# Altium PCB PCB_v6.PcbDoc (part 5 of 7) (continued)
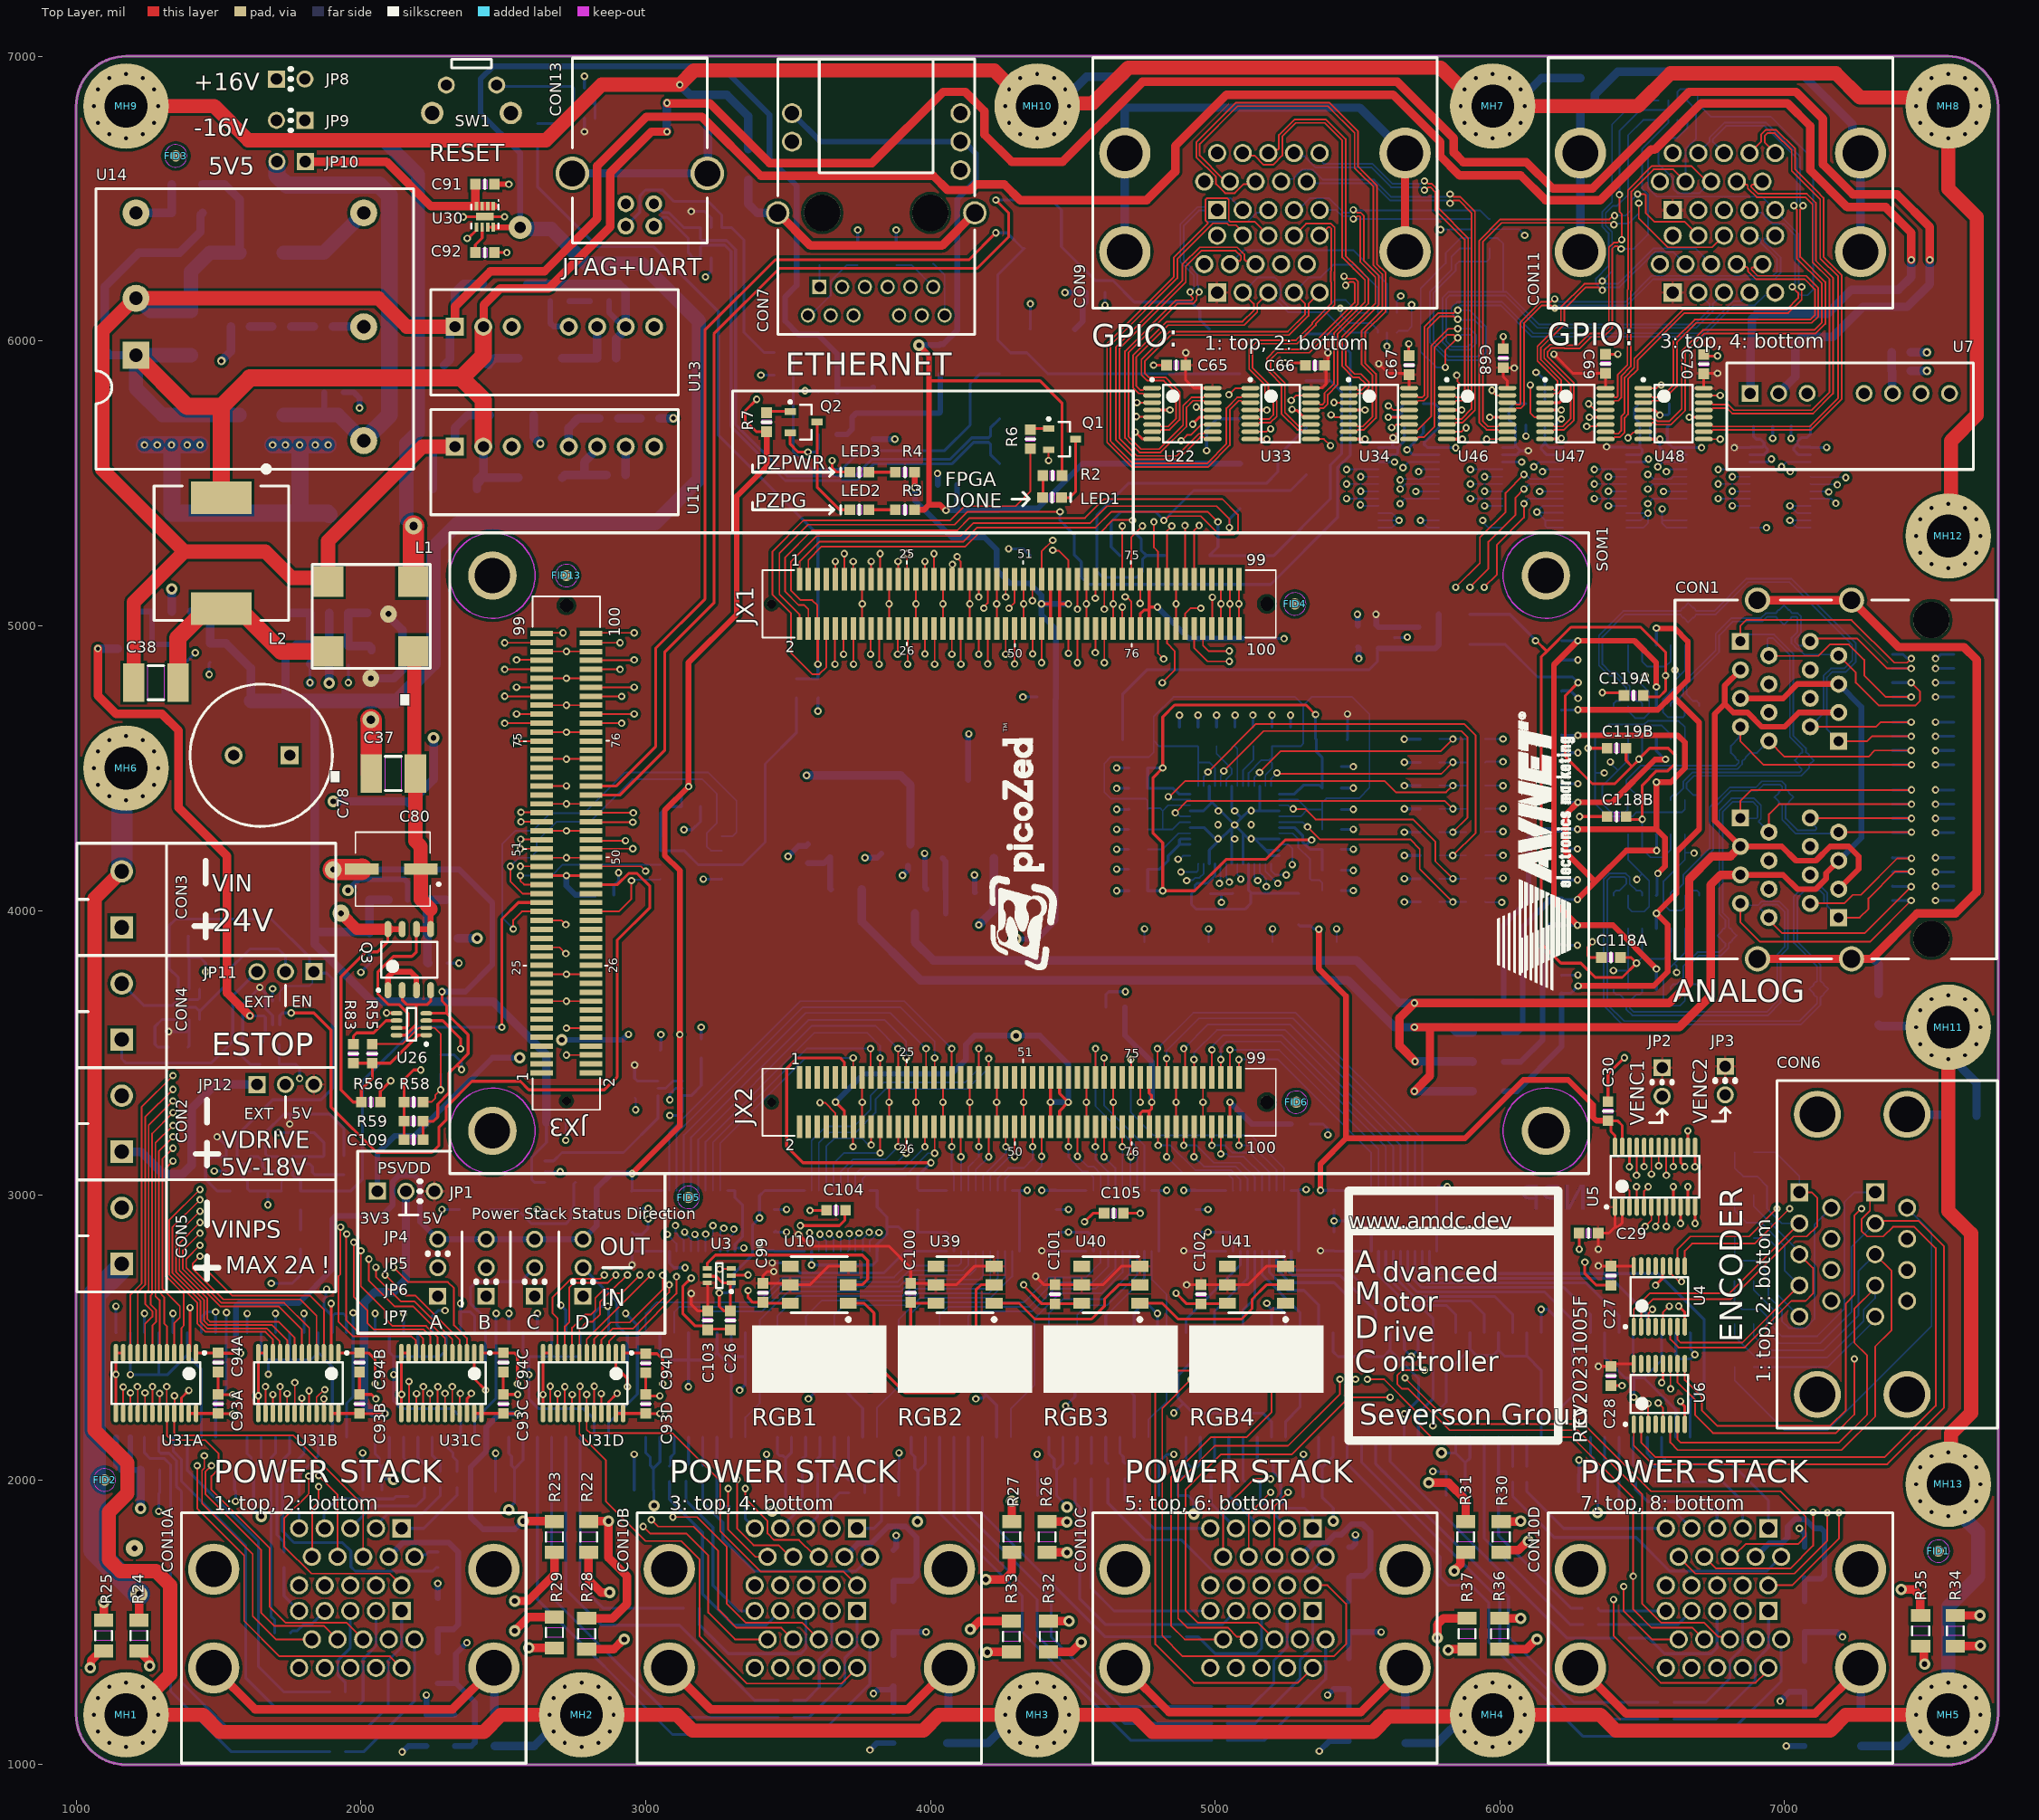
[diagram p0: Top Layer view]
## Nets (pads, with @x,y where several pads share a name; then routed paths per layer and width w, separated by ;. In a path a pad name is that pad's centre, name@x,y a point inside that pad or via, vN(x,y) a via of type N, cw(c..) or ccw(c..) an arc to the next point about the centre after c; other vN are vias at no path point) (continued)
INV6_PWM2: RT4C.1 U23C.12 | length 1486.2
  Bottom Layer w10: U23C.12@4132.59,2150 4132.59,1876.46 4424.17,1584.88 4424.17,1448.83 4668,1205 RT4C.1@4987.44,1205
INV6_PWM3: RT6C.1 U23C.11 | length 1108.2
  Bottom Layer w10: U23C.11@4182.59,2150 4182.59,1880.46 4614.23,1448.83 RT6C.1@4842.44,1448.83
INV6_PWM4: RT8C.1 U25C.14 | length 95.5
  Bottom Layer w10: RT8C.1@4507.9,2058.43 4509.01,2058.43 4515.82,2065.24 U25C.14@4515.82,2150
INV6_PWM5: RT10C.1 U25C.13 | length 92
  Bottom Layer w10: RT10C.1@4564.87,2058.43 4565.82,2059.39 U25C.13@4565.82,2150
INV6_PWM6: RT12C.1 U23C.14 | length 1626.4
  Bottom Layer w10: U23C.14@4032.59,2150 4032.59,1883.19 4322.72,1593.06 4322.72,1466.52 4704.24,1085 RT12C.1@4987.44,1085
INV7_PWM1: RT1D.1 U25A.11 | length 131
  Bottom Layer w10: U25A.11@6568.18,2150 6568.18,2085.19 6578.37,2075 6578.37,2061 6585,2054.37 RT1D.1@6613.44,2054.37
INV7_PWM2: RT3D.1 U25A.12 | length 117
  Bottom Layer w10: U25A.12@6518.18,2150 6518.18,2092.83 6536,2075.01 6536,2054.37 6542.81,2047.56 RT3D.1@6547.18,2047.56
INV7_PWM3: RT5D.1 U25A.13 | length 106.8
  Bottom Layer w10: U25A.13@6468.18,2150 6468.18,2054.37 6474.99,2047.56 RT5D.1@6476.53,2047.56
INV7_PWM4: RT7D.1 U25A.14 | length 100.7
  Bottom Layer w10: RT7D.1@6418.18,2049.29 U25A.14@6418.18,2150
INV7_PWM5: RT9D.1 U23A.11 | length 102.4
  Bottom Layer w10: RT9D.1@6095,2047.56 U23A.11@6095,2150
INV7_PWM6: RT11D.1 U23A.12 | length 102.4
  Bottom Layer w10: RT11D.1@6045,2047.56 U23A.12@6045,2150
INV8_PWM1: RT2D.1 U25B.13 | length 1588.7
  Bottom Layer w10: U25B.13@5514.05,2150 5514.05,2062.97 6000,1577.02 6000,1430 6270,1160 RT2D.1@6555.62,1160
INV8_PWM2: RT4D.1 U25B.12 | length 1514.7
  Bottom Layer w10: U25B.12@5564.05,2150 5564.05,2055.95 6030,1590 6030,1449.29 6260.24,1219.06 RT4D.1@6555.62,1219.06
INV8_PWM3: RT6D.1 U25B.11 | length 1126.2
  Bottom Layer w10: U25B.11@5614.05,2150 5614.05,2065.95 6235,1445 RT6D.1@6398.97,1445
INV8_PWM4: RT8D.1 U23A.14 | length 826.1
  Bottom Layer w10: U23A.14@5945,2150 5945,1795 6248,1492 RT8D.1@6290.62,1492
INV8_PWM5: RT10D.1 U23A.13 | length 745.9
  Bottom Layer w10: U23A.13@5995,2150 5995,1805 6250,1550 RT10D.1@6290.31,1550
INV8_PWM6: RT12D.1 U25B.14 | length 1704
  Bottom Layer w10: U25B.14@5464.05,2150 5464.05,2055.95 5790,1730 5790,1660 5820,1630 5900,1630 5960.52,1569.48 5960.52,1430.52 6291.03,1100.02 RT12D.1@6555.62,1100.02
INV_STS_A1: CON10A.8A U31A.21 | length 1080.2
  Top Layer w6: v1(1345.38,2295.38) 1345.37,2234.8 U31A.21@1344.27,2233.7 1344.27,2166.11 1354.06,2156.32 1762.77,2156.32 2008,1911.09 CON10A.8A@2008,1730
INV_STS_A2: CON10A.8B U31A.20 | length 1389.6
  Top Layer w6: v1(1318,2328) 1318.34,2327.66 1318.34,2234.04 U31A.20@1318.68,2233.7 1318.68,2156.32 1335,2140 1453.84,2140 1500.07,2093.78 1500.07,2038.53 1475,2013.46 1475,1965 1680,1760 1680,1553.88 1734.88,1499 1949,1499 CON10A.8B@2008,1440
INV_STS_A3: CON10B.8A U31A.19 | length 3089.4
  Top Layer w6: U31A.19@1293.09,2233.7 v1(1293.09,2303.91) ; v1(3350,1970) 3350,1934.12 3428,1856.12 3428,1812 3451,1789 3539,1789 3589.02,1738.98 3599.02,1738.98 CON10B.8A@3608,1730
  Int3 (Sign) w6: v1(1293.09,2303.91) 1293.09,1986.91 1463,1817 1640.79,1817 1724.21,1900.41 2434.59,1900.41 2533,1802 3039,1802 3070,1833 3070,1877 3101.56,1908.56 3288.56,1908.56 v1(3350,1970)
INV_STS_A4: CON10B.8B U31A.18 | length 3283.7
  Top Layer w6: U31A.18@1267.5,2233.7 1267.75,2233.95 1267.75,2327.75 v1(1268,2328) ; v1(3095.57,1869.6) 3180.4,1869.6 3285,1765 3285,1565 3351,1499 3549,1499 CON10B.8B@3608,1440
  Int3 (Sign) w6: v1(1268,2328) 1268,1977 1440,1805 1649.54,1805 1729.54,1885 2430,1885 2525,1790 3061,1790 3095.57,1824.57 v1(3095.57,1869.6)
INV_STS_A5: CON10C.8A U31A.17 | length 5408.6
  Top Layer w6: U31A.17@1241.91,2233.7 1241.95,2233.75 v1(1242,2306) v1(1242,2306) ; CON10C.8A@5208,1730 5208,1908.34 v1(5256.2,1956.54)
  Int2 (Sign) w6: v1(1242,2306) 1242,2336 1426,2520 5416.62,2520 5583,2353.62 5583,2213 5326.54,1956.54 v1(5256.2,1956.54)
INV_STS_A6: CON10C.8B U31A.16 | length 6353.1
  Top Layer w6: v1(1215,2328) 1216.32,2326.68 U31A.16@1216.32,2233.7 ; CON10C.8B@5208,1440 5149,1499 4938.87,1499 4896,1541.87 4896,1964.67 5021.33,2090 5270,2090 5470.37,2290.37 v1(5615,2290.37)
  Int2 (Sign) w6: v1(1215,2328) 1419,2532 5446.31,2532 5615,2363.31 v1(5615,2290.37)
INV_STS_A7: CON10D.8A U31A.15 | length 6714.9
  Top Layer w6: U31A.15@1190.73,2233.7 v1(1190.73,2306) ; v1(5667,2358.28) 5829.25,2196.04 6295.57,2196.04 6531.13,1960.48 6984.52,1960.48 7074.32,1870.68 7074.32,1802.32 7047,1775 6863,1775 6826.98,1738.98 6816.98,1738.98 CON10D.8A@6808,1730
  Int2 (Sign) w6: v1(1190.73,2306) 1190.73,2334.84 1399.89,2544 5481.28,2544 v1(5667,2358.28)
INV_STS_A8: CON10D.8B U31A.14 | length 6760.8
  Top Layer w6: U31A.14@1165.14,2233.7 1165,2233.84 1165.14,2233.98 v1(1165.14,2326.68) ; v1(5735.28,2385) 5657.5,2385 5639.93,2367.44 5639.93,2336.57 5655.68,2320.82 5677.35,2320.82 5823.17,2175 6273.46,2175 6500,1948.46 6500,1565.02 6566.02,1499 6716.98,1499 6767,1448.98 6799.02,1448.98 CON10D.8B@6808,1440
  Int2 (Sign) w6: v1(1165.14,2326.68) 1165.14,2385.14 1336,2556 5514.26,2556 5685.26,2385 v1(5735.28,2385)
INV_STS_A_DIR: JP4.2 U31A.2 | length 1088.7
  Top Layer w10: U31A.2@1395.45,2446.3 1400,2450.85 v1(1400,2605.23)
  Int2 (Sign) w10: v1(1400,2605.23) 1440.08,2645.31 2116.71,2645.31 2216.71,2745.31 JP4.2@2269.89,2745.31
INV_STS_B1: CON10A.9A U31B.21 | length 749.1
  Top Layer w6: U31B.21@1844.27,2233.7 1844.27,2290.38 1870.99,2317.1 v1(1873.21,2317.1) ; v1(1851.73,2015) 1918,1948.73 CON10A.9A@1918,1730
  Int2 (Sign) w6: v1(1851.73,2015) 1908.14,2071.41 1908.14,2282.17 v1(1873.21,2317.1)
INV_STS_B2: CON10A.9B U31B.20 | length 1534.3
  Top Layer w6: v1(1475,2050) 1454,2029 1454,1950.2 1650,1754.2 1650,1532.88 1695.88,1487 1871,1487 CON10A.9B@1918,1440 ; v1(1817.93,2312.84) 1817.94,2234.45 U31B.20@1818.68,2233.7
  Int2 (Sign) w6: v1(1475,2050) 1708,2050 1817.93,2159.93 v1(1817.93,2312.84)
INV_STS_B3: CON10B.9A U31B.19 | length 2513.5
  Top Layer w6: v1(1792.55,2287.23) 1792.55,2234.25 U31B.19@1793.09,2233.7 ; v1(3321.54,2001.54) v1(3321.54,2001.54) 3321.49,1828.51 3379,1771 3467,1771 3508,1730 CON10B.9A@3518,1730
  Int2 (Sign) w6: v1(1792.55,2287.23) 1792.55,2318.57 1809.24,2335.26 1826.63,2335.26 1844.27,2317.62 1844.27,2146.38 1783,2085.11 1783,1968.3 1813.3,1938 2520.19,1938 2583.73,2001.54 v1(3321.54,2001.54)
INV_STS_B4: CON10B.9B U31B.18 | length 2399
  Top Layer w6: U31B.18@1767.5,2233.7 1767.88,2234.08 v1(1767.88,2342.08) ; v1(3020,1860) 3043.7,1836.3 3168.7,1836.3 3255,1750 3255,1545 3319,1481 3477,1481 CON10B.9B@3518,1440
  Int3 (Sign) w6: v1(1767.88,2342.08) 1767.88,2262.59 2080.46,1950 2930,1950 v1(3020,1860)
INV_STS_B5: CON10C.9A U31B.17 | length 4648.1
  Top Layer w6: v1(1740.95,2302.96) 1740.95,2234.66 U31B.17@1741.91,2233.7 ; CON10C.9A@5118,1730 5118,1879.54 v1(5195,1956.54)
  Int2 (Sign) w6: v1(1740.95,2302.96) 1740.95,2354.95 1855,2469 5271.59,2469 5388,2352.59 5388,2065 5313,1990 5228.46,1990 v1(5195,1956.54)
INV_STS_B6: CON10C.9B U31B.16 | length 5453
  Top Layer w6: U31B.16@1716.32,2233.7 v1(1716.32,2328) ; CON10C.9B@5118,1440 5109.02,1448.98 5077,1448.98 5044.42,1481.56 4902.58,1481.56 4870,1514.13 4870,1990.86 4999.14,2120 5256.2,2120 5438.46,2302.26 v1(5438.46,2353.62)
  Int2 (Sign) w6: v1(1716.32,2328) 1716.32,2355.69 1841.63,2481 5311.07,2481 v1(5438.46,2353.62)
INV_STS_B7: CON10D.9A U31B.15 | length 6536.4
  Top Layer w6: U31B.15@1690.73,2233.7 v1(1690.73,2300) ; CON10D.9A@6718,1730 6759,1689 7020.08,1689 7100,1768.92 v1(7100,1886.57)
  Int2 (Sign) w6: v1(1690.73,2300) 1690.73,2351.78 1831.95,2493 5353.9,2493 v1(5493.28,2353.62)
  Int3 (Sign) w6: v1(5493.28,2353.62) 5494.62,2354.95 5494.62,2424.62 5555,2485 5715,2485 6010,2190 6796.57,2190 v1(7100,1886.57)
INV_STS_B8: CON10D.9B U31B.14 | length 5966.5
  Top Layer w6: U31B.14@1665.14,2233.7 v1(1665.14,2327.75) ; v1(5534.81,2353.62) 5593.52,2353.62 5705,2242.14 5705,2205 5760,2150 6255,2150 6468.3,1936.7 v1(6468.3,1661.91) 6468.3,1545.83 6533.13,1481 6677,1481 CON10D.9B@6718,1440
  Int2 (Sign) w6: v1(1665.14,2327.75) 1650,2342.89 1650,2384 1771,2505 5383.43,2505 v1(5534.81,2353.62)
INV_STS_B_DIR: JP5.2 U31B.2 | length 770.1
  Top Layer w10: U31B.2@1895.45,2446.3 v1(1895.45,2620)
  Int2 (Sign) w10: v1(1895.45,2620) 1897.25,2621.8 2141.99,2621.8 2215.19,2695 2389.61,2695 JP5.2@2439.92,2745.31
INV_STS_C1: CON10A.10A U31C.21 | length 985.5
  Top Layer w6: CON10A.10A@1828,1730 1829.19,1731.19 1829.19,1900.41 1851.73,1922.96 v1(1851.73,1976.73) ; U31C.21@2346.66,2233.7 2347.76,2234.8 2347.76,2302.76 v1(2349,2304)
  Int2 (Sign) w6: v1(1851.73,1976.73) 2001.73,1976.73 2240,2215 2302.33,2215 2349,2261.67 v1(2349,2304)
INV_STS_C2: CON10A.10B U31C.20 | length 2050.3
  Top Layer w6: v1(1450,2085) 1450,2042.09 1442,2034.09 1442,1918 1620,1740 1620,1521 1701,1440 CON10A.10B@1828,1440 ; U31C.20@2321.03,2233.73 v1@2321.03,2327.72
  Int2 (Sign) w6: v1(1450,2085) 1554.11,2085 1767.88,2298.76 1767.88,2310.87 1804.69,2347.68 1908.14,2347.68 1994.15,2261.67 2295.48,2261.67 2321,2287.19 v1(2321,2327.75)
INV_STS_C3: CON10B.10A U31C.19 | length 1653.8
  Top Layer w6: U31C.19@2295.48,2233.7 v1(2295.48,2304) ; v1(3290,1970) 3290,1825.46 3385.46,1730 CON10B.10A@3428,1730
  Int3 (Sign) w6: v1(2295.48,2304) 2295.48,2084.52 2378.46,2001.54 3258.46,2001.54 v1(3290,1970)
INV_STS_C4: CON10B.10B U31C.18 | length 2063.6
  Top Layer w6: U31C.18@2269.89,2233.7 v1(2269.89,2327.25) ; v1(2991.3,1836.3) 3015.6,1812 3143,1812 3220,1735 3220,1534 3314,1440 CON10B.10B@3428,1440
  Int3 (Sign) w6: v1(2269.89,2327.25) 2270,2327.14 2270,2071.73 2365,1976.73 3013.27,1976.73 3061,1929 3061,1899.99 3050.46,1889.44 3050.46,1854.13 3032.62,1836.3 v1(2991.3,1836.3)
INV_STS_C5: CON10C.10A U31C.17 | length 3810
  Top Layer w6: v1(2242,2304) 2243.2,2302.8 2243.2,2234.8 U31C.17@2244.3,2233.7 ; CON10C.10A@5028,1730 5028,1894.8 5136.66,2003.46 v1(5195,2003.46)
  Int2 (Sign) w6: v1(2242,2304) 2242,2330.48 2332.52,2421 5071.1,2421 5140,2352.1 5140,2058.46 v1(5195,2003.46)
INV_STS_C6: CON10C.10B U31C.16 | length 4442.3
  Top Layer w6: U31C.16@2218.7,2233.7 2218.85,2233.85 2218.85,2327.85 v1(2219,2328) ; CON10C.10B@5028,1440 4893.06,1440 4845,1488.06 4845,2009.78 4985.22,2150 5110.41,2150 5197.87,2237.46 v1(5197.87,2353.62)
  Int2 (Sign) w6: v1(2219,2328) 2219,2336.05 2315.95,2433 5118.48,2433 v1(5197.87,2353.62)
INV_STS_C7: CON10D.10A U31C.15 | length 6163.4
  Top Layer w6: U31C.15@2193.11,2233.7 2194.21,2234.8 2194.21,2301.67 v1(2195.5,2302.96) ; CON10D.10A@6628,1730 6687,1671 7034.54,1671 7150,1786.46 v1(7150,1885)
  Int2 (Sign) w6: v1(2195.5,2302.96) 2195.5,2346.46 2294.04,2445 5162.3,2445 v1(5253.69,2353.62)
  Int3 (Sign) w6: v1(5253.69,2353.62) 5410.07,2510 5720.42,2510 6015.42,2215 6820,2215 v1(7150,1885)
INV_STS_C8: CON10D.10B U31C.14 | length 5316.9
  Top Layer w6: U31C.14@2167.52,2233.7 2169,2235.18 v1(2169,2345.82) ; v1(6435,1625.85) 6435,1539.13 6534.13,1440 CON10D.10B@6628,1440
  Int2 (Sign) w6: v1(2169,2345.82) 2280.18,2457 5233.59,2457 v1(5338,2352.59)
  Int3 (Sign) w6: v1(5338,2352.59) 5370.59,2320 5844.25,2320 5999.25,2165 6283.46,2165 6435,2013.46 v1(6435,1625.85)
INV_STS_C_DIR: JP6.2 U31C.2 | length 784.7
  Top Layer w10: U31C.2@2397.84,2446.3 2397.84,2355.35 v1(2438.19,2315)
  Bottom Layer w10: v1(2438.19,2315) 2438.19,2566.73 2385,2619.92 2385,2676 2404.92,2695.92 2560.57,2695.92 JP6.2@2609.96,2745.31
INV_STS_D1: CON10A.11A U31D.21 | length 2066
  Top Layer w6: v1(1817.19,2013.46) 1817.19,1951.51 1730,1864.32 1730,1767.19 1826.19,1671 2102,1671 CON10A.11A@2143,1630 ; U31D.21@2844.27,2233.7 v1(2844.27,2302.96)
  Int2 (Sign) w6: v1(1817.19,2013.46) 1817.19,1967.81 1835,1950 2010,1950 2248,2188 2760.39,2188 2844.27,2271.88 v1(2844.27,2302.96)
INV_STS_D2: CON10A.11B U31D.20 | length 4151.7
  Top Layer w6: v1(1425,2050) 1425,1900 1590,1735 1590,1505 1714,1381 2102,1381 CON10A.11B@2143,1340 ; U31D.20@2818.68,2233.7 2819.16,2234.18 2819.16,2328.52 v1(2819.64,2329)
  Int2 (Sign) w6: v1(1425,2050) 1426.75,2050 1486.75,1990 1665.14,1990 1730.14,1925 2544.64,1925 2589.64,1970 3240.46,1970 3272.46,1938 3351,1938 3383,1970 3383,1997 3345,2035 3205.27,2035 3007.13,2233.14 2884.31,2233.14 2869.86,2247.59 2869.86,2313.38 2856.03,2327.21 2821.43,2327.21 v1(2819.64,2329)
INV_STS_D3: CON10B.11A U31D.19 | length 1403.7
  Top Layer w6: v1(2793,2300.63) v1(2793,2300.63) 2793.05,2233.75 U31D.19@2793.09,2233.7 2793.09,2176.91 2805,2165 3093.75,2165 3261.87,1996.87 3261.87,1820.25 3404.12,1678 3695,1678 CON10B.11A@3743,1630
INV_STS_D4: CON10B.11B U31D.18 | length 1772.2
  Top Layer w6: v1(2769.64,2329) 2768.57,2327.93 2768.57,2234.77 U31D.18@2767.5,2233.7 2767.5,2162.5 2860,2070 2860,1925 2999.54,1785.46 3124.54,1785.46 3190,1720 3190,1450 3355,1285 3688,1285 CON10B.11B@3743,1340
INV_STS_D5: CON10C.11A U31D.17 | length 4215.3
  Top Layer w6: U31D.17@2741.91,2233.7 v1(2741.91,2300) ; v1(4915.24,2352.59) 4814.45,2251.8 4814.45,1453.05 4886.5,1381 5417.41,1381 5460,1423.59 5460,1565 5395,1630 CON10C.11A@5343,1630
  Int2 (Sign) w6: v1(2741.91,2300) 2741.91,2333.91 2777.96,2369.96 4897.87,2369.96 v1(4915.24,2352.59)
INV_STS_D6: CON10C.11B U31D.16 | length 4125.7
  Top Layer w6: U31D.16@2716.32,2233.7 v1(2716.32,2327.25) ; v1(4969.62,2353.62) 4940.01,2383.23 4860.64,2383.23 4790,2312.59 4790,1422.5 4925,1287.5 5290.5,1287.5 CON10C.11B@5343,1340
  Int2 (Sign) w6: v1(2716.32,2327.25) 2774.07,2385 4938.24,2385 v1(4969.62,2353.62)
INV_STS_D7: CON10D.11A U31D.15 | length 5408
  Top Layer w6: U31D.15@2690.73,2233.7 v1(2690.73,2302.96) ; CON10D.11A@6943,1630 7026,1630 7191.52,1795.52 v1(7191.52,1885)
  Int2 (Sign) w6: v1(2690.73,2302.96) 2690.73,2345.82 2741.91,2397 4980.59,2397 v1(5025,2352.59)
  Int3 (Sign) w6: v1(5025,2352.59) 5212.41,2540 5725,2540 6026.75,2238.25 6838.27,2238.25 v1(7191.52,1885)
INV_STS_D8: CON10D.11B U31D.14 | length 5235.6
  Top Layer w6: U31D.14@2665.14,2233.7 v1(2665.14,2329) ; v1(6399.15,1580) 6399.15,1453.3 6564.95,1287.5 6898.5,1287.5 6934.02,1323.02 6934.02,1331.02 CON10D.11B@6943,1340
  Int2 (Sign) w6: v1(2665.14,2329) 2665.14,2352.97 2721.17,2409 5028,2409 5083.38,2353.62 v1(5083.38,2352.59)
  Int3 (Sign) w6: v1(5083.38,2352.59) 5170.97,2265 5863.14,2265 5988.14,2140 6265,2140 6399.15,2005.85 v1(6399.15,1580)
INV_STS_D_DIR: JP7.2 U31D.2 | length 620.7
  Top Layer w6: U31D.2@2895.45,2446.3 U31D.2@2897.12,2447.97
  Top Layer w10: U31D.2@2895.45,2446.3 2895.45,2396.8 2935.81,2356.45 v1(2935.81,2327.25)
  Bottom Layer w10: JP7.2@2780,2745.31 2899.64,2625.67 2899.64,2544 2935.81,2507.83 v1(2935.81,2327.25)
JTAG_TCK: M1.10 SOM1.JX1-1 TP8.1 | length 2789.7
  Top Layer w6: SOM1.JX1-1@3540.08,5163.23 3540.08,5225.08 3610,5295 4115,5295 4165,5345 4580,5345 4635,5400 4975,5400 v1(5010,5365)
  Bottom Layer w10: v1(5010,5365) 5010,5276.3 M1.10@4980.2,5246.5 5206.5,5246.5 5405,5445 5405,5565 5445,5605 5445,5820 5405,5860 TP8.1@5320,5860
JTAG_TDI: M1.12 SOM1.JX1-4 TP6.1 | length 3256.8
  Top Layer w6: SOM1.JX1-4@3571.58,4990 3571.58,5058.42 3557.5,5072.5 3537.5,5072.5 3490,5120 3490,5240 3585,5335 4095,5335 4138,5378 4543,5378 4610,5445 5025,5445 5080,5390 5080,5335 5065,5320 5015,5320 4950,5385 4838.51,5385 4823.51,5370 v1(4820,5370)
  Bottom Layer w10: M1.12@4665.24,5246.5 4635,5276.73 4635,5365 4670,5400 4790,5400 v1(4820,5370) 4925,5475 5265,5475 TP6.1@5320,5530
JTAG_TDO: M1.11 SOM1.JX1-3 TP7.1 | length 2805.8
  Top Layer w6: SOM1.JX1-3@3571.58,5163.23 3571.58,5231.58 3618,5278 4123,5278 4170,5325 4595,5325 4641.82,5371.82 4708.18,5371.82 v1(4710,5370)
  Bottom Layer w10: v1(4710,5370) 4710,5335 4740,5305 4740,5265 4758.3,5246.7 ; M1.11@4822.72,5246.5 4822.51,5246.7 4758.3,5246.7 ; TP7.1@5320,5695 5220,5595 5220,5540 5180,5500 4695,5500 4585,5390 4585,5190 4605,5170 4725,5170 4745,5190 4745,5233.4 4758.3,5246.7
JTAG_TMS: M1.13 SOM1.JX1-2 TP5.1 | length 3387.2
  Top Layer w6: SOM1.JX1-2@3540.08,4990 3540.08,5039.92 3470,5110 3470,5255 3570,5355 4085,5355 4130,5400 v1(4455,5400)
  Bottom Layer w10: v1(4455,5400) 4455,5370 4505,5320 4505,5249.25 M1.13@4507.76,5246.5 4530,5224.25 4530,5170 4555,5145 5195,5145 5430,5380 5430,5555 5475,5600 5475,5957.95 5407.95,6025 TP5.1@5320,6025
LV_ENC_1A: SOM1.JX1-54 U5.21 | length 3902.6
  Top Layer w6: v1(4358.98,4901.02) SOM1.JX1-54@4358.98,4990 ; v1(6480,3070) 6480.51,3070.51 6480.51,3170.79 U5.21@6481.02,3171.3
  Int2 (Sign) w6: v1(4358.98,4901.02) 4358.98,3631.02 4585,3405 6294.7,3405 6481.02,3218.67 6481.02,3071.02 v1(6480,3070)
LV_ENC_1B: SOM1.JX1-56 U5.20 | length 3835.9
  Top Layer w6: SOM1.JX1-56@4390.47,4990 4390.47,4870.14 v1(4390.61,4870) ; v1(6506.61,3100.37) U5.20@6506.61,3171.3
  Int2 (Sign) w6: v1(4390.61,4870) 4390.61,3654.39 4605,3440 6310,3440 6506.61,3243.39 v1(6506.61,3100.37)
LV_ENC_1Z: SOM1.JX1-62 U5.19 | length 3870.5
  Top Layer w6: v1(4484.96,4902.99) SOM1.JX1-62@4484.96,4990 ; v1(6532.21,3073.79) U5.19@6532.2,3171.3
  Int2 (Sign) w6: v1(4484.96,4902.99) 4420,4838.03 4420,3752.38 4630.21,3542.18 5178.57,3542.18 5225.74,3495 6307.63,3495 6532.21,3270.41 v1(6532.21,3073.79)
LV_ENC_2A: SOM1.JX1-64 U5.18 | length 3803.4
  Top Layer w6: v1(4516.46,4870.14) SOM1.JX1-64@4516.46,4990 ; v1(6557.8,3103.11) U5.18@6557.8,3171.3
  Int2 (Sign) w6: v1(4516.46,4870.14) 4450,4803.68 4450,3779.83 4649.83,3580 5186.73,3580 5246.73,3520 6327.63,3520 6557.8,3289.83 v1(6557.8,3103.11)
LV_ENC_2B: SOM1.JX1-68 U5.17 | length 4032.1
  Top Layer w6: v1(4579.45,4905.48) SOM1.JX1-68@4579.45,4990 ; U5.17@6583.39,3171.3 6584.19,3170.49 6584.19,3070.81 v1(6585,3070)
  Int2 (Sign) w6: v1(4579.45,4905.48) 4579.45,4883.21 4475,4778.76 4475,3810.21 4670.21,3615 5205.29,3615 5275.29,3545 6556.43,3545 6620,3481.43 6620,3322.14 6585,3287.14 v1(6585,3070)
LV_ENC_2Z: SOM1.JX1-70 U5.16 | length 3964.3
  Top Layer w6: v1(4610.95,4870.14) SOM1.JX1-70@4610.94,4990 ; v1(6608.98,3100.37) U5.16@6608.98,3171.3
  Int2 (Sign) w6: v1(4610.95,4870.14) 4500,4759.2 4500,3840 4685,3655 5220.29,3655 5310.29,3565 6574.92,3565 6645,3494.92 6645,3309.25 6608.98,3273.23 v1(6608.98,3100.37)
LV_ESTOP_DRIVE_EN: SOM1.JX3-44 U44.4 | length 2740
  Top Layer w10: v1(1755,3640) 1835,3640 1895,3580 1895,3310 2055,3150 2249.14,3150 2274.57,3175.43 2274.57,3239.57 2300,3265 2300,3310 2390,3400 2560,3400 2590,3370 2855,3370 2900,3415 2900,3895 3015,4010 3015,4085 2970,4130 2940,4130 2900.88,4090.88 SOM1.JX3-44@2808.35,4090.88
  Bottom Layer w10: U44.4@1715.59,3597.68 1715.59,3630.59 1725,3640 v1(1755,3640)
LV_GPIO1_IN1: SOM1.JX1-53 U31E.3 | length 1933.1
  Top Layer w6: v1(4358.23,5087.93) 4358.23,5162.48 SOM1.JX1-53@4358.98,5163.23
  Int3 (Sign) w6: v1(4358.23,5087.93) 4385.3,5115 4495,5115 4545,5165 4545,5210 4510,5245 4510,5420 4630,5540 5420,5540 5460,5580 5580,5580 5615,5545 5631.11,5545 5641.11,5555 v1(5660,5555)
  Bottom Layer w6: v1(5660,5555) 5679.57,5574.57 U31E.3@5786.3,5574.57
LV_GPIO1_IN2: SOM1.JX1-55 U31E.4 | length 1806.5
  Top Layer w6: SOM1.JX1-55@4390.47,5163.23 4390.47,5260.47 v1(4430,5300)
  Int3 (Sign) w6: v1(4430,5300) 4430,5410 4605,5585 5395,5585 5435,5625 5635,5625 5655,5645 5685,5645 5714.72,5615.28 v1(5714.72,5541.1)
  Bottom Layer w6: v1(5714.72,5541.1) 5720.14,5541.1 5728.01,5548.98 U31E.4@5786.3,5548.98
LV_GPIO1_IN3: SOM1.JX1-61 U31E.5 | length 1855
  Top Layer w6: v1(4430,5265) 4432,5263 4452,5263 4484.96,5230.04 SOM1.JX1-61@4484.96,5163.23
  Int3 (Sign) w6: v1(4430,5265) 4465,5265 4485,5285 4485,5430 4620,5565 5410,5565 5445,5600 5656.49,5600 5685,5571.49 5685,5525 5672.08,5512.08 v1(5649.8,5512.08)
  Bottom Layer w6: v1(5649.8,5512.08) 5653.24,5515.51 5731.44,5515.51 5739.31,5523.39 U31E.5@5786.3,5523.39
LV_GPIO1_OUT1: SOM1.JX1-74 U31G.3 | length 2226.6
  Top Layer w6: SOM1.JX1-74@4673.94,4990 v1(4673.94,5065.57)
  Int3 (Sign) w6: v1(4673.94,5065.57) 4670.11,5069.39 4670.11,5083.94 4660,5094.05 4660,5235 4605,5290 4605,5375 4670,5440 5300,5440 5395,5345 5950,5345 6035,5430 6035,5467.08 6070,5502.08 6086.73,5502.08 6106.8,5522.15 6106.8,5540.02 6119.37,5552.59 v1(6119.37,5558)
  Bottom Layer w6: v1(6119.37,5558) 6135.94,5574.57 U31G.3@6221.3,5574.57
LV_GPIO1_OUT2: SOM1.JX1-76 U31G.4 | length 2192.8
  Top Layer w6: v1(4683.94,5101.23) 4689.35,5101.23 4701.09,5089.49 4701.19,5089.49 4705.43,5085.25 SOM1.JX1-76@4705.43,4990
  Int3 (Sign) w6: v1(4683.94,5101.23) 4683.94,5246.06 4625,5305 4625,5370 4670,5415 5290,5415 5385,5320 5950,5320 6050,5420 6050,5435 6065.9,5450.9 6090.9,5450.9 6115,5475 6115,5506.38 v1(6149.72,5541.1)
  Bottom Layer w6: v1(6149.72,5541.1) 6155.14,5541.1 6163.01,5548.98 U31G.4@6221.3,5548.98
LV_GPIO1_OUT3: SOM1.JX1-82 U31G.5 | length 1985.1
  Top Layer w6: SOM1.JX1-82@4799.92,4990 4799.92,4902.71 v1(4819.42,4883.21) ; v1(5845,5135) 5930,5220 5930,5310 6020,5400 6020,5466.46 v1(6084.8,5531.26)
  Int3 (Sign) w6: v1(4819.42,4883.21) 4933.21,4883.21 5015,4965 5080,4965 5125,4920 5390,4920 5465,4995 5465,5050 5490,5075 5575,5075 5610,5040 5750,5040 v1(5845,5135)
  Bottom Layer w6: v1(6084.8,5531.26) 6090.22,5531.26 6105.96,5515.51 6166.44,5515.51 6174.31,5523.39 U31G.5@6221.3,5523.39
LV_GPIO2_IN1: SOM1.JX1-63 U31E.6 | length 1891.5
  Top Layer w6: v1(4516.46,5058) SOM1.JX1-63@4516.46,5163.23
  Int3 (Sign) w6: v1(4516.46,5058) 4516.46,5096.46 4575,5155 4575,5215 4540,5250 4540,5415 4640,5515 5345,5515 5460,5400 5565,5400 5590,5425 5590,5450 5620.08,5480.08 v1(5649.8,5480.08)
  Bottom Layer w6: v1(5649.8,5480.08) 5667.52,5497.8 U31E.6@5786.3,5497.8
LV_GPIO2_IN2: SOM1.JX1-67 U31E.7 | length 1750.3
  Top Layer w6: v1(4579.45,5096.47) SOM1.JX1-67@4579.45,5163.23
  Int3 (Sign) w6: v1(4579.45,5096.47) 4605,5122.02 4605,5225 4565,5265 4565,5405 4650,5490 5330,5490 5435,5385 5580,5385 5615,5420 5615,5440 5630,5455 5688.24,5455 v1(5704.92,5471.68)
  Bottom Layer w6: v1(5704.92,5471.68) 5705.18,5471.94 5786.04,5471.94 U31E.7@5786.3,5472.2
LV_GPIO2_IN3: SOM1.JX1-69 U31E.8 | length 1775.5
  Top Layer w6: v1(4610.94,5058) SOM1.JX1-69@4610.95,5163.23
  Int3 (Sign) w6: v1(4610.94,5058) 4610.94,5085.94 4635,5110 4635,5230 4585,5280 4585,5390 4660,5465 5315,5465 5415,5365 5585.69,5365 v1(5649.58,5428.9)
  Bottom Layer w6: v1(5649.58,5428.9) 5667.3,5446.61 U31E.8@5786.3,5446.61
LV_GPIO2_OUT1: SOM1.JX1-84 U31G.6 | length 2039.5
  Top Layer w6: v1(4814.42,4799.59) 4857.84,4843.01 4857.84,4911.56 4831.42,4937.98 SOM1.JX1-84@4831.42,4990 ; v1(5895,5135) 5960,5200 5960,5295 6055,5390 6055,5450.28 v1(6084.8,5480.08)
  Int3 (Sign) w6: v1(4814.42,4799.59) 4884.59,4799.59 5025,4940 5070,4940 5110,4900 5405,4900 5520,5015 5760,5015 5876.17,5131.17 5891.17,5131.17 v1(5895,5135)
  Bottom Layer w6: v1(6084.8,5480.08) 6102.52,5497.8 U31G.6@6221.3,5497.8
LV_GPIO2_OUT2: SOM1.JX1-88 U31G.7 | length 2664.5
  Top Layer w6: SOM1.JX1-88@4894.41,4990 4894.41,5041.84 4914.27,5061.7 v1(4949.84,5061.7)
  Int3 (Sign) w6: v1(4949.84,5061.7) 4976.54,5035 5080,5035 5120,5075 5120,5120 5085,5155 4820,5155 4645,5330 4645,5360 4680,5395 5275,5395 5370,5300 5960,5300 6060,5400 6090,5400 6139.68,5449.68 6139.68,5471.45 v1(6139.92,5471.68)
  Bottom Layer w6: v1(6139.92,5471.68) 6140.18,5471.94 6221.04,5471.94 U31G.7@6221.3,5472.2
LV_GPIO2_OUT3: SOM1.JX1-90 U31G.8 | length 1712.7
  Top Layer w6: SOM1.JX1-90@4925.9,4990 4925.9,4922.52 4973.43,4875 v1(5050,4875) ; v1(5945,5135) 5990,5180 5990,5285 6084.58,5379.58 v1(6084.58,5428.9)
  Int3 (Sign) w6: v1(5050,4875) 5415,4875 5535,4995 5775,4995 5890,5110 5925,5110 5945,5130 v1(5945,5135)
  Bottom Layer w6: v1(6084.58,5428.9) 6102.3,5446.61 U31G.8@6221.3,5446.61
LV_GPIO3_IN1: SOM1.JX1-73 U31F.3 | length 2794.7
  Top Layer w6: SOM1.JX1-73@4673.94,5163.23 v1(4673.94,5349.82)
  Int3 (Sign) w6: v1(4673.94,5349.82) 4843.76,5180 6025,5180 6120,5275 6225,5275 6240,5260 6610,5260 6680,5330 6680,5525 6630,5575 6571.37,5575 v1(6554.37,5558)
  Bottom Layer w6: v1(6554.37,5558) 6570.94,5574.57 U31F.3@6656.3,5574.57
LV_GPIO3_IN2: SOM1.JX1-75 U31F.4 | length 2569.9
  Top Layer w6: SOM1.JX1-75@4705.94,5162.73 SOM1.JX1-75@4705.43,5163.23 4705.43,5310.41 v1(4744.84,5349.82)
  Int3 (Sign) w6: v1(4744.84,5349.82) 4744.84,5345.16 4890,5200 6015,5200 6110,5295 6245,5295 6255,5285 6595,5285 6655,5345 6655,5510 6623.9,5541.1 v1(6584.72,5541.1)
  Bottom Layer w6: v1(6584.72,5541.1) 6590.14,5541.1 6598.01,5548.98 U31F.4@6656.3,5548.98
LV_GPIO3_IN3: SOM1.JX1-81 U31F.5 | length 2584.6
  Top Layer w6: v1(4785,5365) 4785,5275 4799.92,5260.08 SOM1.JX1-81@4799.92,5163.23
  Int3 (Sign) w6: v1(4785,5365) 4930,5220 6005,5220 6100,5315 6590,5315 6635,5360 6635,5490 6610,5515 6536.06,5515 v1(6519.8,5531.26)
  Bottom Layer w6: v1(6519.8,5531.26) 6525.22,5531.26 6540.96,5515.51 6601.44,5515.51 6609.31,5523.39 U31F.5@6656.3,5523.39
LV_GPIO3_OUT1: SOM1.JX1-92 U31H.3 | length 2907.8
  Top Layer w6: SOM1.JX1-92@4957.4,4990 4957.4,4930.57 4976.71,4911.26 v1(5050,4911.26)
  Int3 (Sign) w6: v1(5050,4911.26) 5046.74,4908 5028,4908 5010,4890 5010,4865 5030,4845 5655,4845 5890,5080 6300,5080 6460,5240 7025,5240 7080,5295 7080,5440 6989.37,5530.63 v1(6989.37,5558)
  Bottom Layer w6: v1(6989.37,5558) 7005.94,5574.57 U31H.3@7091.3,5574.57
LV_GPIO3_OUT2: SOM1.JX1-94 U31H.4 | length 3484.1
  Top Layer w6: SOM1.JX1-94@4988.9,4990 4990.18,4991.29 v1(4990.18,5100.18)
  Int3 (Sign) w6: v1(4990.18,5100.18) 4945.18,5100.18 4920,5075 4920,4950 4885,4915 4805,4915 4785,4895 4785,4795 4805,4775 4895,4775 4945,4825 5665,4825 5900,5060 6310,5060 6470,5220 7040,5220 7110,5290 7110,5450.83 v1(7019.72,5541.1)
  Bottom Layer w6: v1(7019.72,5541.1) 7025.14,5541.1 7033.01,5548.98 U31H.4@7091.3,5548.98
LV_GPIO3_OUT3: SOM1.JX1-41 U31H.5 | length 4046
  Top Layer w6: v1(4170,5100.96) SOM1.JX1-41@4170,5163.23
  Int3 (Sign) w6: v1(4170,5100.96) 4170,5077 4160,5067 4160,5055 4260,4955 4630,4955 4705,4880 4705,4765.15 4760.15,4710 4955,4710 4995,4750 5715,4750 5940,4975 6349.64,4975 6519.64,5145 7105,5145 7275,5315 7275,5465 7220,5520 v1(7215,5520)
  Bottom Layer w6: U31H.5@7091.3,5523.39 7092.99,5521.69 7213.31,5521.69 v1(7215,5520)
LV_GPIO4_IN1: SOM1.JX1-83 U31F.6 | length 2409.6
  Top Layer w6: SOM1.JX1-83@4831.42,5163.23 4831.42,5333.37 v1(4847.87,5349.82)
  Int3 (Sign) w6: v1(4847.87,5349.82) 4957.69,5240 5995,5240 6090,5335 6570,5335 6615,5380 6615,5470 6590,5495 6535.99,5495 6521.07,5480.08 v1(6519.8,5480.08)
  Bottom Layer w6: v1(6519.8,5480.08) 6537.52,5497.8 U31F.6@6656.3,5497.8
LV_GPIO4_IN2: SOM1.JX1-87 U31F.7 | length 2150.2
  Top Layer w6: SOM1.JX1-87@4894.41,5163.23 v1(4894.41,5352.13)
  Int3 (Sign) w6: v1(4894.41,5352.13) 4986.53,5260 5980,5260 6075,5355 6555,5355 6595,5395 6595,5451.61 v1(6574.92,5471.68)
  Bottom Layer w6: v1(6574.92,5471.68) 6575.18,5471.94 6656.04,5471.94 U31F.7@6656.3,5472.2
LV_GPIO4_IN3: SOM1.JX1-89 U31F.8 | length 2007.6
  Top Layer w6: SOM1.JX1-89@4925.91,5163.23 4925.91,5334 v1(4944.03,5352.13)
  Int3 (Sign) w6: v1(4944.03,5352.13) 5016.16,5280 5970,5280 6065,5375 6465.69,5375 v1(6519.58,5428.9)
  Bottom Layer w6: v1(6519.58,5428.9) 6537.3,5446.61 U31F.8@6656.3,5446.61
LV_GPIO4_OUT1: SOM1.JX1-43 U31H.6 | length 3921
  Top Layer w6: v1(4187.88,5061.7) 4187.88,5065.57 4201.5,5079.19 SOM1.JX1-43@4201.5,5163.23
  Int3 (Sign) w6: v1(4187.88,5061.7) 4269.57,4980 4640.36,4980 4725,4895.36 4725,4773.43 4768.43,4730 4945,4730 4985,4770 5700,4770 5930,5000 6345,5000 6510,5165 7085,5165 7245,5325 7245,5455 7205,5495 v1(7185,5495)
  Bottom Layer w6: U31H.6@7091.3,5497.8 7092.7,5496.4 7183.6,5496.4 v1(7185,5495)
LV_GPIO4_OUT2: SOM1.JX1-47 U31H.7 | length 3770.8
  Top Layer w6: v1(4264.49,5100.96) SOM1.JX1-47@4264.49,5163.23
  Int3 (Sign) w6: v1(4264.49,5100.96) 4262.38,5098.85 4262.38,5078.96 4254.23,5070.81 4254.23,5040.77 4295,5000 4648.64,5000 4745,4903.64 4745,4781.72 4781.72,4745 4925,4745 4970,4790 5690,4790 5920,5020 6330,5020 6495,5185 7065,5185 7215,5335 7215,5445 7190,5470 v1(7155,5470)
  Bottom Layer w6: U31H.7@7091.3,5472.2 7092.4,5471.1 7153.9,5471.1 v1(7155,5470)
LV_GPIO4_OUT3: SOM1.JX1-49 U31H.8 | length 3640.4
  Top Layer w6: v1(4276.23,5061.7) 4295.99,5081.45 SOM1.JX1-49@4295.99,5163.23
  Int3 (Sign) w6: v1(4276.23,5061.7) 4317.93,5020 4655,5020 4765,4910 4765,4790 4795,4760 4910,4760 4960,4810 5680,4810 5910,5040 6320,5040 6485,5205 7055,5205 7180,5330 v1(7180,5430)
  Bottom Layer w6: U31H.8@7091.3,5446.61 7163.39,5446.61 v1(7180,5430)
LV_INV1_PWM1: SOM1.JX2-20 U24E.6 | length 366.2
  Top Layer w6: v1(3823.54,3148.11) SOM1.JX2-20@3823.54,3240
  Bottom Layer w6: U24E.6@3659.51,3016.3 3659.51,3111.37 3696.26,3148.11 v1(3823.54,3148.11)